# Altium PCB BMSRev3.PcbDoc (part 2 of 2)
Units mil, origin at the board's own origin, x right, y up, seen from the top; angles counter-clockwise.
Board outline 5720 x 3795.51 mil, 4 copper layers (Top Layer, GND, PWR, Bottom Layer), stack 61.811 mil thick; 150 components, 153 nets, 541 pads, 351 vias.
Unrouted connection lines stored in the file: 3.
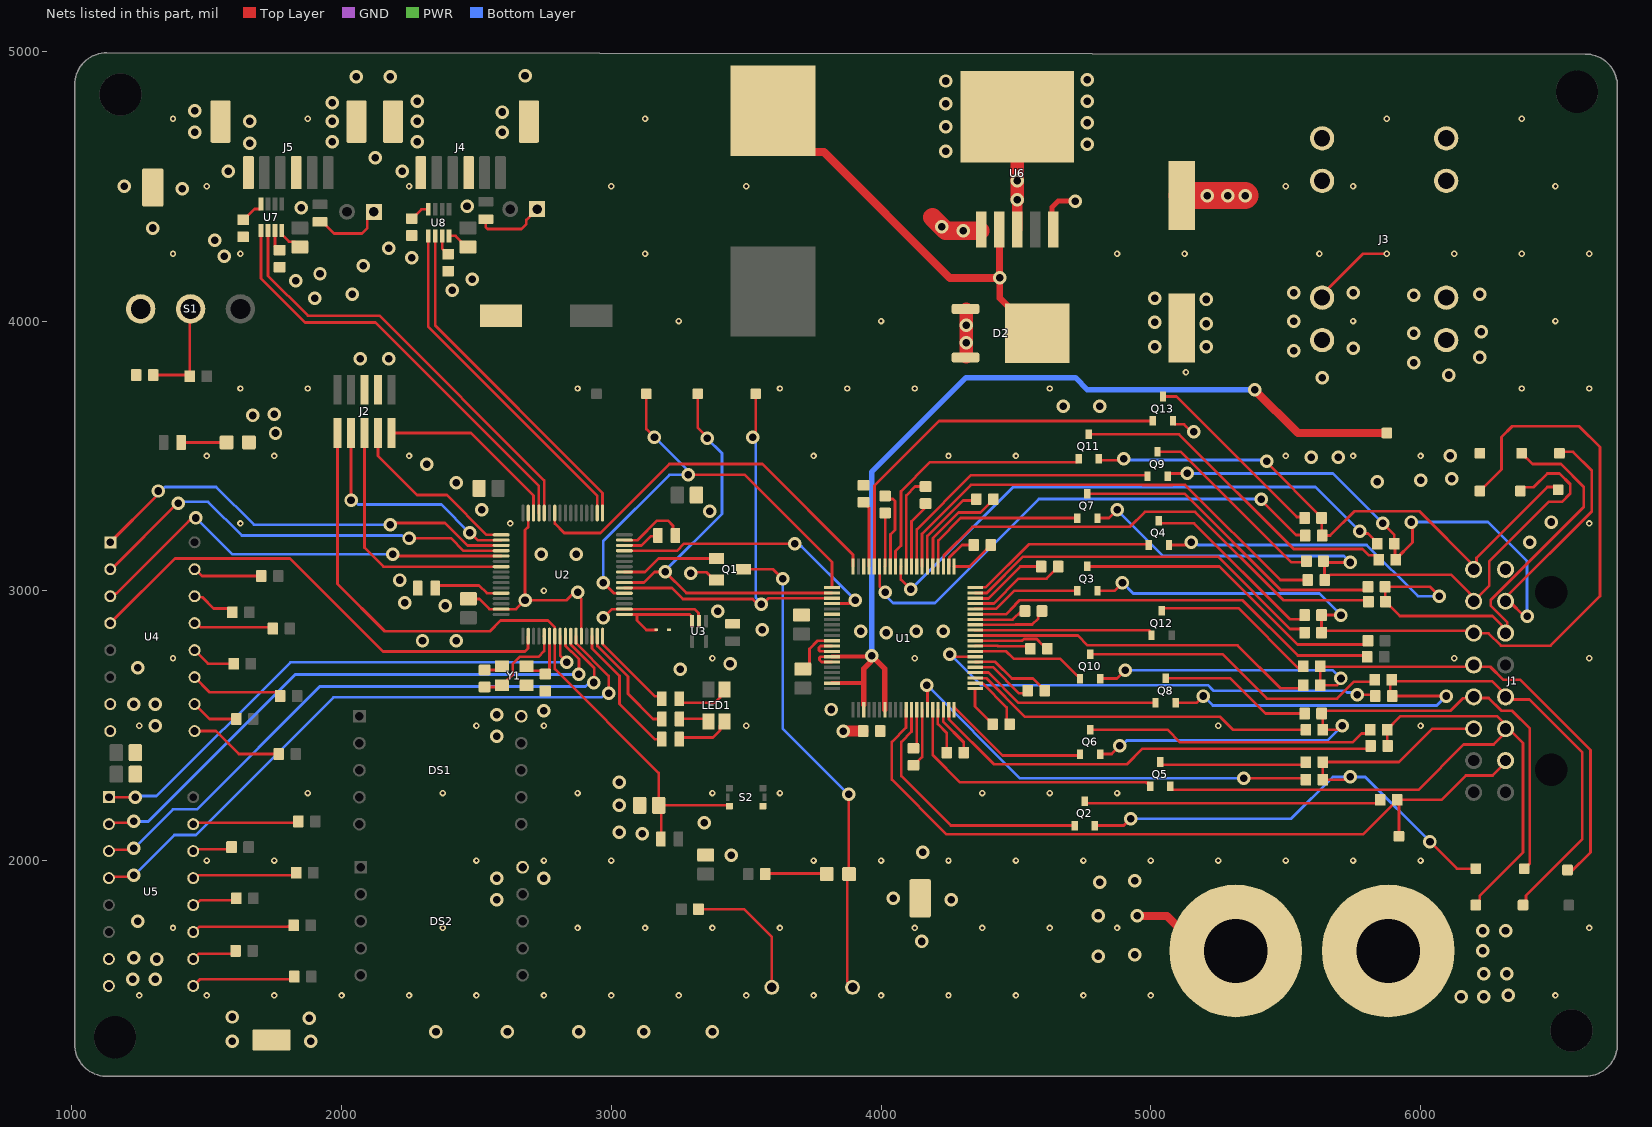
[diagram p4: the nets of this part, all layers, seen from the top]

## Via types
v1: diameter 50, hole 28, Top Layer to Bottom Layer, tented both sides, 240 vias
v2: diameter 24, hole 12, Top Layer to Bottom Layer, tented both sides, 111 vias

## Nets (pads, with @x,y where several pads share a name; then routed paths per layer and width w, separated by ;. In a path a pad name is that pad's centre, name@x,y a point inside that pad or via, vN(x,y) a via of type N, cw(c..) or ccw(c..) an arc to the next point about the centre after c; other vN are vias at no path point) (continued)
GND: C1.1 C7.1 C10.1 C13.1 C16.1 C17.1 C18.1 C19.1 C20.1 C23.1 C24.1 C25.1 C28.1 C29.1 C30.1 C31.1 C32.2 C33.2 C34.1 C35.1 D2.1 D2.3 D3.2 DS1.10 DS2.10 GND.1 J1.1 J2.3 J2.5 J3.1 J4.0 J4.3 J4.6 J5.0 J5.3 J5.6 LED3.2 PTH1.1 Q1.2 Q13.2 R28.2 R47.1 R49.1 R51.1 R52.1 S1.1 S2.1 U1.6 U1.11 U1.78 U2.12 U2.18 U2.31 U2.47 U2.63 U3.2 U4.7 U4.8 U5.7 U5.8 U6.3 U6.5 U6.6 U7.8 U8.8 Y1.2 Y1.4 | length 4132.3
  Top Layer w10: C23.1@1247.4,2332.17 C23.1@1235.24,2320 C23.1@1252.72,2302.52 ; U7.8@1778.39,4335.79 1778.39,4321.02 1805.04,4294.37 1825.39,4294.37 C34.1@1845,4274.76 ; U8.8@2398.39,4315.79 2422.24,4315.79 2441.61,4296.42 2441.61,4294.37 2461.22,4274.76 C35.1@2468.11,4274.76 ; C17.1@2470,2970.24 2470.87,2969.36 2510.64,2969.36 2547.95,2932.05 2647.05,2932.05 v1(2680,2965) ; C28.1@2530,2706.5 2580.79,2706.5 Y1.2@2594.72,2720.43 ; U2.47@2692.05,3288.35 2692.05,3237.05 2680,3225 v1(2680,2965) ; U2.12@2888.9,2831.65 2888.9,2970.28 2875,2984.18 v1(2875,2995) 2864.18,2995 2834.18,2965 v1(2680,2965) ; v1(2970,2900) 3002.05,2932.05 U2.18@3048.35,2932.05 3307.95,2932.05 3322.92,2917.08 3322.92,2889.87 U3.2@3325,2887.8 ; U2.31@3048.35,3187.95 3097.95,3187.95 3170,3260 3210,3260 3228.77,3241.23 3228.77,3213.71 C30.1@3237.48,3205 ; v1(3295,3065) 3298.83,3068.83 3353.3,3068.83 3382.12,3040 Q1.2@3390,3040 ; C7.1@3343.11,2020.24 C7.1@3350,2020.24 ; C19.1@3710,2710 3715.39,2710 3735,2729.61 3735,2785 3764.88,2814.88 U1.11@3817.99,2814.88 ; C1.1@3933.03,3391.5 C1.1@3935,3391.5 ; D2.3@4313.07,3865 D2.3@4315,3866.93 ; D2.1@4313.07,4045 D2.1@4315,4043.07 ; U6.5@4633.86,4345 U6.5@4638.86,4340 ; Q13.2@5082.4,3629.72 5082.4,3623.82 5089.21,3617.01 5123.37,3617.01 5150.38,3590 v1(5160,3590) ; C33.2@5115,4466.06 C33.2@5148.94,4500 ; v2(5130,3810) v2@5132.01,3812.01 ; PTH1.1@5190.49,1665 PTH1.1@5315,1665 ; J3.1@5635,4086.93 5635,4097.48 5787.52,4250 v2(5875,4250)
  Top Layer w20: U6.5@4633.86,4345 4633.86,4421.93 4656.93,4445 v1(4720,4445)
  Top Layer w30: v1(4950,1795) 5060.49,1795 PTH1.1@5190.49,1665
  Top Layer w40: U6.3@4505,4340 v1(4505,4450)
  Top Layer w50: D2.3@4315,3866.93 D2.1@4315,4043.07 ; v1(4505,4450) U6.6@4505,4757.32
  Top Layer w100: C33.2@5115.79,4465 v1(5350,4465)
  GND w10: J3.1@5635,4086.93 J3.1@5635,4097.48
  PWR w10: J3.1@5635,4086.93 J3.1@5635,4097.48
  Bottom Layer w10: J3.1@5635,4086.93 J3.1@5635,4097.48
  other v1: 1595,1330 1885,1330 2350,1365 2615,1365 2880,1365 3120,1365 3375,1365 1880,1415 1595,1420 1225,1560 1310,1560 1315,1635 1230,1640 4805,1645 4940,1650 4150,1700 1245,1775 4805,1795 2575,1855 4260,1855 4045,1860 4810,1920 4940,1925 2575,1935 2750,1935 3445,2020 4155,2030 3115,2100 3030,2105 3345,2140 3030,2205 3030,2290 2575,2460 1310,2500 2575,2540 2750,2555 3815,2560 1230,2580 1310,2580 3255,2710 1245,2715 3440,2730 2300,2815 2425,2815 4020,2845 3925,2850 4130,2850 4230,2850 3560,2855 3395,2925 2385,2945 2235,2955 2215,3040 2740,3135 2870,3135 6405,3180 6485,3255 3365,3295 2520,3300 2425,3400 5840,3405 6000,3410 6115,3415 2315,3470 5595,3495 5695,3495 6110,3500 1755,3585 1670,3650 1750,3655 4675,3685 4810,3685 5635,3790 6105,3800 5975,3845 2070,3860 2175,3860 6220,3865 5530,3890 5750,3900 4315,3920 5975,3955 6225,3960 4315,3985 5530,4000 1900,4085 5975,4095 2040,4100 6220,4100 5530,4105 5750,4105 2410,4115 1830,4150 2485,4155 1920,4175 2080,4205 2260,4235 1565,4240 2175,4270 1530,4300 1300,4345 1850,4420 2465,4425 5210,4465 5285,4465 1410,4490 1195,4500 4505,4520 1580,4555 2225,4555 2125,4605 4240,4630 4765,4655 1660,4660 1965,4665 2280,4665 1455,4700 2595,4700 4240,4720 4765,4735 1660,4740 1965,4740 2280,4740 2595,4775 1455,4780 4240,4805 1965,4810 2280,4815 4765,4815 4240,4890 4765,4895 2055,4905 2180,4905 2680,4910
  other v2: 1250,1500 1500,1500 1750,1500 2000,1500 2250,1500 2500,1500 2750,1500 3000,1500 3250,1500 3500,1500 3750,1500 4000,1500 4250,1500 4500,1500 4750,1500 5000,1500 6500,1500 1375,1750 2375,1750 2875,1750 3125,1750 3375,1750 3625,1750 4125,1750 4375,1750 4625,1750 4875,1750 6625,1750 1500,2000 1750,2000 2500,2000 2750,2000 3000,2000 3750,2000 4000,2000 4250,2000 4500,2000 4750,2000 5000,2000 5250,2000 5500,2000 5750,2000 6000,2000 1875,2250 2375,2250 2875,2250 3375,2250 3625,2250 4375,2250 4625,2250 4875,2250 1250,2500 2500,2500 2750,2500 3500,2500 5250,2500 6000,2500 1375,2750 3375,2750 4125,2750 6125,2750 6625,2750 2750,3000 1625,3250 2625,3250 6625,3250 1500,3500 1750,3500 2250,3500 3750,3500 4250,3500 4500,3500 5500,3500 5750,3500 6000,3500 1625,3750 1875,3750 2875,3750 3625,3750 3875,3750 4125,3750 4625,3750 6375,3750 6625,3750 3250,4000 4000,4000 5750,4000 6500,4000 1375,4250 1625,4250 3125,4250 4875,4250 5125,4250 5625,4250 6125,4250 6375,4250 6625,4250 1500,4500 2250,4500 3000,4500 3500,4500 5500,4500 5750,4500 6500,4500 1375,4750 1875,4750 3125,4750 5875,4750 6375,4750
JTDI: J2.8 U2.50 | length 867.6
  Top Layer w10: v1(2035,3335) J2.8@2035,3585 ; v1(2475,3215) 2477.47,3215 2504.52,3187.95 U2.50@2591.65,3187.95
  Bottom Layer w10: v1(2035,3335) 2045.82,3335 2060.82,3320 2370,3320 v1(2475,3215)
JTDO/TRACESWO: J2.6 U2.55 | length 960.8
  Top Layer w10: J2.6@2085,3585 2085,3160 2155.47,3089.53 U2.55@2591.65,3089.53
NetC1_2: C1.2 U1.77 | length 248.1
  Top Layer w10: C1.2@3935,3328.5 3936.97,3328.5 3951.65,3313.82 3951.65,3311.62 3955.31,3307.96 U1.77@3955.31,3090
NetC2_1: C2.1 U1.74 | length 198.8
  Top Layer w10: U1.74@4014.37,3090 4015,3090.63 C2.1@4015,3288.5
NetC2_2: C2.2 U1.73 | length 295.1
  Top Layer w10: C2.2@4015,3351.5 4026.1,3340.39 4044.14,3340.39 4051.65,3332.88 4051.65,3226.15 4035,3209.49 4035,3090 U1.73@4034.06,3090
NetC3_1: C3.1 U1.70 | length 348.8
  Top Layer w10: U1.70@4093.11,3090 4093.74,3090.63 4093.74,3353.74 4126.52,3386.52 C3.1@4165,3386.52
NetC3_2: C3.2 U1.69 | length 274.5
  Top Layer w10: U1.69@4112.8,3090 4112.48,3090.32 4112.48,3257.48 4167.62,3312.62 4154.09,3312.62 C3.2@4165,3323.53
NetC4_1: C4.1 U1.66 | length 351.8
  Top Layer w10: U1.66@4171.85,3090 4171.54,3090.31 4171.54,3202.86 4303.82,3335.14 4348.65,3335.14 C4.1@4353.5,3340
NetC4_2: C4.2 U1.65 | length 390.9
  Top Layer w10: U1.65@4191.54,3090 4191.54,3113.41 4192.17,3114.04 4192.17,3195.2 4287.17,3290.21 4368.67,3290.21 4416.5,3338.03 C4.2@4416.5,3340
NetC5_1: C5.1 U1.62 | length 144
  Top Layer w10: U1.62@4250.59,3090 4252.17,3091.58 4252.17,3092.3 4252.48,3092.61 4252.48,3122.48 4300,3170 C5.1@4343.5,3170
NetC5_2: C5.2 U1.61 | length 191.3
  Top Layer w10: U1.61@4270.28,3090 4328.46,3090 4406.5,3168.03 C5.2@4406.5,3170 C5.2@4391.81,3155.31
NetC6_1: C6.1 U1.58 | length 316.9
  Top Layer w10: U1.58@4348.54,2972.36 4349.17,2971.73 4398.27,2971.73 4516.54,3090 C6.1@4593.5,3090 4593.5,3091.97 C6.1@4578.82,3106.65
NetC6_2: C6.2 U1.57 | length 366
  Top Layer w10: U1.57@4348.54,2952.68 4348.86,2952.99 4418.21,2952.99 4510.22,3045 4613.46,3045 4656.5,3088.03 C6.2@4656.5,3090
NetC8_1: C8.1 U1.54 | length 205.7
  Top Layer w10: U1.54@4348.54,2893.62 4349.17,2892.99 4487.99,2892.99 C8.1@4520,2925 ; C8.1@4518.82,2910.31 C8.1@4533.5,2925
NetC8_2: C8.2 U1.53 | length 279.2
  Top Layer w10: U1.53@4348.54,2873.94 4499.32,2873.94 4498.25,2875.01 4545,2875 4560,2875 4583.13,2898.13 4583.13,2911.63 C8.2@4596.5,2925
NetC9_1: C9.1 U1.50 | length 287.1
  Top Layer w10: U1.50@4348.54,2814.88 4523.14,2814.88 4529.91,2821.65 4577.1,2821.65 4597.1,2801.65 4601.81,2801.65 4616.5,2786.97 C9.1@4616.5,2785
NetC9_2: C9.2 U1.49 | length 209.7
  Top Layer w10: U1.49@4348.54,2795.2 4349.17,2795.83 4432.46,2795.83 4433.4,2794.88 4543.62,2794.88 C9.2@4553.5,2785
NetC11_1: C11.1 U1.46 | length 303.9
  Top Layer w10: U1.46@4348.54,2736.14 4363.35,2736.14 4364.3,2737.09 4422.94,2737.09 4485.03,2675 4563.46,2675 4606.5,2631.97 C11.1@4606.5,2630
NetC11_2: C11.2 U1.45 | length 239.6
  Top Layer w10: U1.45@4348.54,2716.46 4371.95,2716.46 4372.58,2717.09 4414.66,2717.09 4511.74,2620 4533.5,2620 C11.2@4543.5,2630
NetC12_1: C12.1 U1.42 | length 221.7
  Top Layer w10: U1.42@4348.54,2657.4 4349.77,2656.18 4350.54,2656.18 4350.85,2655.87 4377.95,2655.87 4465.75,2568.07 4465.75,2515.75 C12.1@4476.5,2505
NetC12_2: C12.2 U1.41 | length 159.6
  Top Layer w10: U1.41@4348.54,2637.72 4348.54,2571.93 4413.5,2506.97 C12.2@4413.5,2505
NetC13_2: C13.2 R3.1 S1.2 | length 388.8
  Top Layer w10: C13.2@1301.5,3800 1432.01,3800 R3.1@1437.01,3795 1437.01,3800 1437.01,4041.97 S1.2@1440.04,4045
NetC14_1: C14.1 U1.34 | length 220.4
  Top Layer w10: C14.1@4120,2353.5 4121.97,2353.5 4152.17,2383.7 U1.34@4152.17,2559.45
NetC14_2: C14.2 U1.33 | length 148.1
  Top Layer w10: C14.2@4120,2416.5 4132.17,2428.66 4132.17,2559.13 U1.33@4132.48,2559.45
NetC15_1: C15.1 U1.38 | length 191.3
  Top Layer w10: U1.38@4230.91,2559.45 4230.91,2536.04 4230.28,2535.41 4230.28,2514.72 4306.5,2438.5 C15.1@4306.5,2400
NetC15_2: C15.2 U1.37 | length 173.6
  Top Layer w10: U1.37@4211.22,2559.45 4211.22,2544.64 4210.28,2543.7 4210.28,2506.44 4243.5,2473.21 C15.2@4243.5,2400
NetC16_2: C16.2 U2.6 Y1.1 | length 229.1
  Top Layer w10: Y1.1@2685.28,2720.43 2701.93,2703.78 2742.72,2703.78 C16.2@2755,2691.5 2756.1,2691.5 2770.79,2706.18 U2.6@2770.79,2831.65
NetC28_2: C28.2 U2.5 Y1.3 | length 358.5
  Top Layer w10: C28.2@2530,2643.5 2592.6,2643.5 2615.31,2666.22 2615.31,2670.16 2635,2689.84 2635,2730 2660,2755 2730,2755 2751.1,2776.1 U2.5@2751.1,2831.65 U2.5@2750,2831.65
NetC30_2: C30.2 U2.30 | length 139.4
  Top Layer w10: U2.30@3048.35,3168.27 3111.9,3168.27 3145.66,3202.03 3169.55,3202.03 C30.2@3172.52,3205
NetD2_2: D2.2 L1.1 U6.2 | length 1688.6
  Top Layer w25: L1.1@3594.98,4629.31 3574.65,4649.64 3522.5,4701.79 3569.72,4749.02 L1.1@3600,4779.29 ; U6.2@4438.07,4340 4439.04,4339.04 4439.04,4160.96 v1(4440,4160) ; v1@4440,4148.45 4440,4084.76 4569.76,3955 D2.2@4578.82,3955
  Top Layer w30: L1.1@3594.98,4629.31 3597.32,4626.97 3787.83,4626.97 4254.8,4160 v1(4440,4160)
NetH1_1: H1.1 R48.1 | length 271.3
  Top Layer w10: R48.1@1920,4367.52 1929.84,4367.52 1972.36,4325 2075,4325 2095.47,4345.47 2095.47,4380.47 H1.1@2120,4405
NetH2_1: H2.1 R46.1 | length 261.7
  Top Layer w10: R46.1@2535,4377.52 2535,4347.42 2540.86,4341.56 2666.56,4341.56 2684.94,4359.94 2684.94,4374.94 H2.1@2725,4415
NetJ1_2: CL2.1 J1.2 Q9.2 R20.1 R22.1 | length 2780.1
  Top Layer w10: Q9.2@5062.4,3424.72 5062.4,3428.19 5069.21,3435 v1(5135,3435) ; v1(5860,3250) 5902.99,3207.01 R20.1@5902.99,3175 5905.49,3172.5 5905.49,3117.5 R22.1@5907.99,3115 5907.99,3116.97 5970,3178.98 5970,3250 v1(5965,3255) ; J1.2@6326.22,2961.22 J1.2@6315,2961.22 ; v1(6395,2905) 6385,2905 6328.78,2961.22 6322.93,2961.22 J1.2@6315,2961.22 ; CL2.1@6515,3510 6520,3515 6565,3515 6635,3445 6635,3295 6315,2975 J1.2@6315,2961.22
  Bottom Layer w10: v1(5135,3435) 5675,3435 v1(5860,3250) ; v1(5965,3255) 6250,3255 6395,3110 v1(6395,2905)
NetJ1_3: CL4.1 J1.3 Q4.2 R12.1 R14.1 | length 2858.6
  Top Layer w10: Q4.2@5067.4,3169.72 5139.72,3169.72 v1(5150,3180) ; v1(6070,2980) 6035,3015 R14.1@5867.99,3015 5869,3014 5869,2959 R12.1@5870,2960 5870,2958.03 5884.69,2943.35 5886.65,2943.35 5923.36,2906.64 6266.47,2906.64 J1.3@6322.5,2850.61 ; J1.3@6315,2843.11 J1.3@6322.5,2850.61 ; CL4.1@6375,3510 6415,3470 6520,3470 6605,3385 6605,3310 6260,2965 6260,2945.06 6321.21,2883.85 6321.21,2851.9 J1.3@6322.5,2850.61
  Bottom Layer w10: v1(5150,3180) 5157.65,3172.35 5173.51,3172.35 5175.86,3170 5800,3170 5990,2980 v1(6070,2980)
NetJ1_5: CL8.1 J1.5 Q8.2 R19.1 R21.1 | length 2828.9
  Top Layer w10: Q8.2@5085.59,2597.44 5092.4,2590.63 Q8.2@5092.4,2584.72 5169.72,2584.72 v1(5195,2610) ; R21.1@5892.99,2670 5886.99,2664 R21.1@5886.99,2663.01 ; v1(6095,2610) R19.1@5895,2610 ; CL8.1@6380,1835 6390.75,1845.75 6390.75,1870.75 6600,2080 6600,2400 6403.29,2596.71 6325.18,2596.71 J1.5@6315,2606.89 6315,2614.82 6264.82,2665 5900.67,2665 5892.83,2657.17 R21.1@5886.99,2663.01 ; R21.1@5886.99,2663.01 5881.5,2657.52 5883.33,2657.52 5887.5,2653.35 R19.1@5887.5,2617.5 ; R19.1@5887.5,2617.5 R19.1@5895,2610 ; R19.1@5887.5,2617.5 R19.1@5895,2610
  Bottom Layer w10: v1(5195,2610) 5230,2575 6060,2575 v1(6095,2610)
NetJ1_6: CL10.1 J1.6 Q5.2 R11.1 R13.1 | length 2683.8
  Top Layer w10: Q5.2@5072.4,2274.72 5072.4,2268.82 5079.21,2262.01 5992.01,2262.01 6160,2430 6271.22,2430 6325,2483.78 J1.6@6325,2488.78 ; R11.1@5877.99,2425 5876.99,2426 5876.99,2484 R13.1@5875.98,2485 5926.36,2535.37 6283.41,2535.37 6325,2493.78 J1.6@6325,2488.78 ; CL10.1@6205,1835 6219.69,1849.69 6219.69,1869.69 6380,2030 6380,2435 6326.22,2488.78 J1.6@6325,2488.78 ; J1.6@6326.46,2485.24 6322.93,2488.78 J1.6@6315,2488.78 J1.6@6325,2488.78
NetJ1_7: CL12.1 J1.7 R5.1 U1.31 | length 2911.7
  Top Layer w10: U1.31@4093.11,2559.45 4092.8,2559.13 4092.8,2492.8 4040,2440 4040,2300 4242.99,2097.01 5786.97,2097.01 5912.99,2223.03 R5.1@5912.99,2225 ; CL12.1@5930,2080 CL12.1@5920,2090 5920,2217.99 R5.1@5912.99,2225 ; J1.7@6315,2370.67 6315,2362.74 6267.26,2315 6167.77,2315 6077.77,2225 R5.1@5912.99,2225
NetJ1_9: CL1.1 J1.9 Q11.2 R24.1 R26.1 | length 2145.4
  Top Layer w10: Q11.2@4807.4,3489.72 4813.31,3483.82 4893.82,3483.82 v1(4900,3490) ; v1(5430,3480) 5430,3474.96 5632.99,3271.97 R26.1@5632.99,3270 5634,3269 5634,3213.01 R24.1@5638.5,3208.5 ; R24.1@5635,3205 5665,3205 5755,3295 5996.22,3295 J1.9@6204.39,3086.83 ; J1.9@6196.89,3079.33 6207.07,3089.51 6207.07,3122.07 6470,3385 6500,3385 CL1.1@6510,3375
  Bottom Layer w10: v1(4900,3490) 4905,3485 5425,3485 v1(5430,3480)
NetJ1_10: CL3.1 J1.10 Q7.2 R16.1 R18.1 | length 2671.6
  Top Layer w10: Q7.2@4802.4,3269.72 4844.72,3269.72 v1(4875,3300) ; R18.1@5640,3110 R18.1@5644,3106 ; R16.1@5645,3040 R16.1@5649,3044 ; v1(5740,3105) 5645,3105 R18.1@5644,3106 ; J1.10@6206.22,2961.22 J1.10@6196.89,2961.22 ; J1.10@6208.35,2964.76 6204.82,2961.22 J1.10@6196.89,2961.22 ; J1.10@6208.45,2964.05 J1.10@6204.09,2968.42 ; CL3.1@6370,3370 6383.83,3383.83 6418.83,3383.83 6470,3435 6515,3435 6555,3395 6555,3360 6525,3330 6475,3330 6255,3110 6255,3019.33 J1.10@6204.09,2968.42 ; R18.1@5644,3106 5644,3049.31 5649,3044.31 5649,3045.96 5659.69,3056.65 5662.2,3056.65 5665.54,3060 6113.11,3060 6181.44,2991.67 6181.44,2991.06 J1.10@6204.09,2968.42 ; J1.10@6196.89,2961.22 J1.10@6204.09,2968.42
  Bottom Layer w10: v1(4875,3300) 5046,3129 5715.71,3129 5739.71,3105 v1(5740,3105)
NetJ1_11: CL5.1 J1.11 Q3.2 R7.1 R9.1 | length 3444.1
  Top Layer w10: Q3.2@4802.4,2999.72 4864.72,2999.72 v1(4895,3030) ; v1(5705,2910) R9.1@5632.99,2910 R7.1@5632.99,2845 ; CL5.1@6220,3370 6300,3450 6300,3570 6340,3610 6587.43,3610 6665,3532.43 6665,2980 6481.52,2796.52 6298.48,2796.52 6252.63,2842.37 6197.63,2842.37 6188.35,2851.65 R7.1@5639.65,2851.65 ; R7.1@5632.99,2845 R7.1@5639.65,2851.65 ; R7.1@5632.99,2845 R7.1@5639.65,2851.65
  Bottom Layer w10: v1(4895,3030) 4935,2990 5625,2990 v1(5705,2910)
NetJ1_12: CL7.1 J1.12 Q10.2 R23.1 R25.1 | length 2716
  Top Layer w10: Q10.2@4812.4,2674.72 4874.72,2674.72 v1(4905,2705) ; R25.1@5627.99,2720 R25.1@5630,2717.99 ; v1(5705,2675) 5705,2665 5690,2650 R23.1@5627.99,2650 5627.99,2715.98 R25.1@5630,2717.99 ; CL7.1@6545,1965 6555,1955 6630,2030 6630,2410 6370,2670 6307.03,2670 6258.48,2718.55 6203.34,2718.55 J1.12@6196.89,2725 6189.88,2717.99 R25.1@5630,2717.99
  Bottom Layer w10: v1(4905,2705) 5675,2705 v1(5705,2675)
NetJ1_13: CL9.1 J1.13 Q6.2 R15.1 R17.1 | length 2453.9
  Top Layer w10: Q6.2@4812.4,2394.72 4854.72,2394.72 v1(4885,2425) ; R17.1@5632.99,2543.03 5637.99,2538.03 R15.1@5637.99,2485 5695,2485 v1(5710,2500) ; R17.1@5632.99,2545 5643.37,2555.37 6110.37,2555.37 6156.44,2601.44 6191.44,2601.44 J1.13@6196.89,2606.89 6201.41,2602.37 6252.63,2602.37 6299.63,2555.37 6339.63,2555.37 6405,2490 6405,1990 CL9.1@6385,1970
  Bottom Layer w10: v1(4885,2425) 4890.86,2425 4910.86,2445 5655,2445 v1(5710,2500)
NetJ1_14: CL11.1 J1.14 Q2.2 R8.1 R10.1 | length 2402.4
  Top Layer w10: Q2.2@4792.4,2129.72 4899.72,2129.72 v1@4920,2150 ; v1(5740,2310) 5730,2300 R8.1@5637.99,2300 R10.1@5637.99,2365 5920,2365 6043.78,2488.78 J1.14@6196.89,2488.78 ; v1(6035,2070) 6135,1970 CL11.1@6205,1970
  Bottom Layer w10: v1(4925,2155) 5520,2155 5675,2310 v1(5740,2310) 5795,2310 v1(6035,2070)
NetL2_1: L2.1 R2.1 | length 501.5
  Top Layer w10: R2.1@3322.99,1820 3491.65,1820 3595,1716.65 L2.1@3595,1530
NetL2_2: L2.2 LED2.2 Q1.3 | length 1776.3
  Top Layer w10: Q1.3@3490,3080 3600,3080 v1(3635,3045) ; LED2.2@3875,1943.66 3875,1551.42 3894.21,1532.21 L2.2@3894.21,1530 ; LED2.2@3880,1951.34 v1(3880,2245)
  Bottom Layer w10: v1(3635,3045) 3635,2490 v1(3880,2245)
NetLED1_1: LED1.1 R29.1 | length 123.8
  Top Layer w10: R29.1@3252.48,2525 3252.48,2520 3257.56,2514.92 3260.1,2517.46 3268.58,2525.94 3318.82,2525.94 3319.29,2525.47 3350.94,2525.47 LED1.1@3360.47,2515.94
NetLED1_3: LED1.3 R30.2 | length 202.7
  Top Layer w10: R30.2@3252.48,2600 3252.48,2597.72 3265.2,2585 3383.81,2585 3402.87,2604.06 3402.87,2617.4 LED1.3@3419.53,2634.06
NetLED1_4: LED1.4 R31.1 | length 204
  Top Layer w10: R31.1@3252.48,2450 3258.9,2456.42 3376.42,2456.42 3402.87,2482.87 3402.87,2499.29 LED1.4@3419.53,2515.94
NetLED2_1: LED2.1 R1.2 | length 230.3
  Top Layer w10: R1.2@3570,1950 3571.97,1951.97 3796.69,1951.97 LED2.1@3798.66,1950
NetLED3_1: LED3.1 R50.2 | length 168.7
  Top Layer w10: R50.2@1404.96,3550 LED3.1@1573.66,3550
NetQ1_1: Q1.1 U2.25 | length 362.4
  Top Layer w10: U2.25@3048.35,3069.84 3124.84,3069.84 3175,3120 Q1.1@3390,3120
NetQ2_1: Q2.1 U1.32 | length 980.5
  Top Layer w10: U1.32@4112.8,2559.45 4112.8,2477.8 4075,2440 4075,2313.26 4258.53,2129.72 Q2.1@4717.6,2129.72
NetQ2_3: Q2.3 R5.2 | length 1104.5
  Top Layer w10: Q2.3@4755,2220.28 4755,2218.9 4761.81,2212.09 5837.09,2212.09 R5.2@5850,2225
NetQ3_1: Q3.1 U1.56 | length 406.9
  Top Layer w10: U1.56@4348.54,2932.99 4426.5,2932.99 4493.5,3000 4587.29,3000 4587.57,2999.72 Q3.1@4727.6,2999.72
NetQ3_3: Q3.3 R6.2 | length 1165.4
  Top Layer w10: Q3.3@4765,3090.28 5254.72,3090.28 5543.7,2801.3 5791.3,2801.3 R6.2@5805,2815
NetQ4_1: Q4.1 U1.60 | length 711.9
  Top Layer w10: U1.60@4348.54,3011.73 4349.45,3012.64 4387.64,3012.64 4547.68,3172.68 4989.65,3172.68 Q4.1@4992.6,3169.72
NetQ4_3: Q4.3 R9.2 | length 699.7
  Top Layer w10: Q4.3@5030,3260.28 5030,3256.81 5036.81,3250 5160,3250 5515,2895 5555.31,2895 5570,2909.69 R9.2@5570,2910
NetQ5_1: Q5.1 U1.36 | length 1025.7
  Top Layer w10: U1.36@4191.54,2559.45 4191.54,2391.72 4293.26,2290 4982.32,2290 4984.88,2287.44 4990.79,2287.44 4997.6,2280.63 Q5.1@4997.6,2274.72
NetQ5_3: Q5.3 R10.2 | length 550.4
  Top Layer w10: Q5.3@5035,2365.28 5035,2361.81 5041.81,2355 5565,2355 R10.2@5575,2365
NetQ6_1: Q6.1 U1.40 | length 554.2
  Top Layer w10: U1.40@4270.28,2559.45 4270.28,2569.72 4450.28,2389.72 4732.6,2389.72 Q6.1@4737.6,2394.72
NetQ6_3: Q6.3 R13.2 | length 1076.8
  Top Layer w10: Q6.3@4775,2485.28 5061.25,2485.28 5108.18,2438.35 5748.35,2438.35 5781.3,2471.3 5799.29,2471.3 R13.2@5812.99,2485
NetQ7_1: Q7.1 U1.64 | length 647.6
  Top Layer w10: U1.64@4211.22,3090 4212.17,3090 4212.17,3108.87 4212.48,3109.18 4212.48,3187.23 4294.97,3269.72 Q7.1@4727.6,3269.72
NetQ7_3: Q7.3 R14.2 | length 1192.7
  Top Layer w10: Q7.3@4765,3360.28 5124.72,3360.28 5481.65,3003.35 5793.35,3003.35 R14.2@5805,3015
NetQ8_1: Q8.1 U1.44 | length 715.7
  Top Layer w10: U1.44@4348.54,2696.77 4348.86,2697.09 4397.91,2697.09 4510.28,2584.72 Q8.1@5017.6,2584.72
NetQ8_3: Q8.3 R17.2 | length 569
  Top Layer w10: Q8.3@5055,2675.28 5294.72,2675.28 5425,2545 R17.2@5570,2545
NetQ9_1: Q9.1 U1.68 | length 1077.7
  Top Layer w10: U1.68@4132.48,3090 4132.48,3227.48 4333.82,3428.82 4983.5,3428.82 Q9.1@4987.6,3424.72
NetQ9_3: Q9.3 R18.2 | length 723.7
  Top Layer w10: Q9.3@5025,3515.28 5111.29,3515.28 5175,3451.57 5521.16,3105.41 5572.42,3105.41 R18.2@5577.01,3110
NetQ10_1: Q10.1 U1.48 | length 431.1
  Top Layer w10: U1.48@4348.54,2775.51 4348.86,2775.83 4464.17,2775.83 4491.65,2748.35 4663.98,2748.35 Q10.1@4737.6,2674.72
NetQ10_3: Q10.3 R21.2 | length 1152.5
  Top Layer w10: Q10.3@4775,2765.28 5265.12,2765.28 5430.39,2600 5690,2600 5753.18,2663.18 5823.18,2663.18 R21.2@5830,2670
NetQ11_1: Q11.1 U1.72 | length 999.5
  Top Layer w10: U1.72@4053.74,3090 4053.74,3147.32 4073.74,3167.32 4073.74,3368.74 4182.01,3477.01 4725.79,3477.01 4732.6,3483.82 Q11.1@4732.6,3489.72
NetQ11_3: Q11.3 R22.2 | length 1268.9
  Top Layer w10: Q11.3@4770,3580.28 5104.72,3580.28 5530,3155 5785,3155 5808.35,3131.65 5830.31,3131.65 5845,3116.97 R22.2@5845,3115
NetQ12_1: Q12.1 U1.52 | length 668.2
  Top Layer w10: U1.52@4348.54,2854.25 4993.39,2854.25 4995.79,2851.85 4995.79,2841.53 Q12.1@5002.6,2834.72
NetQ12_3: Q12.3 R25.2 | length 625.8
  Top Layer w10: Q12.3@5040,2925.28 5040,2928.74 5046.81,2935.55 5324.45,2935.55 5546.3,2713.7 5558.7,2713.7 R25.2@5565,2720
NetQ13_1: Q13.1 U1.76 | length 1431.9
  Top Layer w10: U1.76@3975,3090 3975.31,3090.31 3975.31,3390.31 4214.72,3629.72 Q13.1@5007.6,3629.72
NetQ13_3: Q13.3 R26.2 | length 711.5
  Top Layer w10: Q13.3@5045,3720.28 5094.72,3720.28 5541.17,3273.83 5566.17,3273.83 R26.2@5570,3270
NetR4_2: R4.2 U1.55 | length 1563.1
  Top Layer w10: U1.55@4348.54,2913.31 4372.26,2913.31 4372.58,2912.99 4462.99,2912.99 4497.46,2947.46 4497.46,2949.2 4513.26,2965 5340,2965 5545,2760 5797.01,2760 R4.2@5802.01,2755
NetR7_2: R7.2 U1.59 | length 1394.1
  Top Layer w10: U1.59@4348.54,2992.05 4348.86,2991.73 4391.73,2991.73 4526.65,3126.65 5248.35,3126.65 5516.3,2858.7 5556.3,2858.7 R7.2@5570,2845
NetR8_2: R8.2 U1.35 | length 1641.3
  Top Layer w10: v1(4170,2650) 4171.85,2648.15 U1.35@4171.85,2559.45 ; v1(5345,2305) 5570,2305 R8.2@5575,2300
  Bottom Layer w10: v1(4170,2650) 4515,2305 v1(5345,2305)
NetR11_2: R11.2 U1.39 | length 1697
  Top Layer w10: U1.39@4250.59,2559.45 4251.5,2558.54 4251.5,2523.5 4417.99,2357.01 4912.01,2357.01 4970,2415 5805,2415 R11.2@5815,2425
NetR12_2: R12.2 U1.63 | length 1821.8
  Top Layer w10: U1.63@4230.91,3090 4232.17,3090 4232.17,3100.58 4232.48,3100.9 4232.48,3130.76 4338.72,3237.01 4922.01,3237.01 4977.99,3292.99 5163.72,3292.99 5491.72,2965 5802.01,2965 R12.2@5807.01,2960
NetR15_2: R15.2 U1.43 | length 1306
  Top Layer w10: U1.43@4348.54,2677.09 4349.45,2676.18 4358.82,2676.18 4359.13,2675.87 4390.85,2675.87 4533.73,2532.99 5257.52,2532.99 5305.51,2485 R15.2@5575,2485
NetR16_2: R16.2 U1.67 | length 1774.2
  Top Layer w10: U1.67@4152.17,3090 4151.54,3090.63 4151.54,3211.14 4333.39,3392.99 4968.59,3392.99 4969.57,3392.01 5080.43,3392.01 5081.41,3392.99 5127.01,3392.99 5480,3040 R16.2@5582.01,3040
NetR19_2: R19.2 U1.47 | length 1738.6
  Top Layer w10: v1(4255,2765) 4264.17,2755.83 U1.47@4348.54,2755.83 ; v1(5765,2615) 5827.01,2615 R19.2@5832.01,2610
  Bottom Layer w10: v1(4255,2765) 4370,2650 5211.57,2650 5231.57,2630 5720,2630 5727.35,2622.65 5757.35,2622.65 v1(5765,2615)
NetR20_2: R20.2 U1.71 | length 2076.1
  Top Layer w10: U1.71@4073.74,3090.31 U1.71@4073.43,3090 4073.43,3041.57 v1(4110,3005) ; v1(5775,3220) 5782.65,3212.35 5804.62,3212.35 5840,3176.97 R20.2@5840,3175
  Bottom Layer w10: v1(4110,3005) 4490,3385 5610,3385 v1(5775,3220)
NetR23_2: R23.2 U1.51 | length 1302.3
  Top Layer w10: U1.51@4348.54,2834.57 4348.86,2834.25 4729.28,2834.25 4765.54,2797.99 5322.01,2797.99 5481.3,2638.7 5553.7,2638.7 R23.2@5565,2650
NetR24_2: R24.2 U1.75 | length 1902.1
  Top Layer w10: U1.75@3995,3090.32 U1.75@3994.69,3090 3994.69,3015.31 v1(4015,2995) ; v1(5410,3340) 5410,3335 5538.03,3206.97 5570.04,3206.97 R24.2@5572.01,3205
  Bottom Layer w10: v1(4015,2995) 4015,2984.18 4044.18,2955 4200,2955 4585,3340 v1(5410,3340)
NetR28_1: R28.1 U2.60 | length 261.4
  Top Layer w10: R28.1@2347.48,3010 2348.84,3008.64 2360.2,3020 2509.67,3020 2538.57,2991.1 U2.60@2591.65,2991.1
NetR29_2: R29.2 U2.15 | length 424.9
  Top Layer w10: U2.15@2947.95,2831.65 2948.27,2831.34 2948.27,2795.02 3061.54,2681.75 3061.54,2618.46 3155,2525 R29.2@3187.52,2525
NetR30_1: R30.1 U2.16 | length 333
  Top Layer w10: U2.16@2967.64,2831.65 2967.98,2831.31 2967.98,2802.02 3160.66,2609.34 3178.18,2609.34 R30.1@3187.52,2600
NetR31_2: R31.2 U2.14 | length 504.8
  Top Layer w10: U2.14@2928.27,2831.65 2928.27,2786.73 3030,2685 3030,2580.66 3160.66,2450 R31.2@3187.52,2450
NetR32_1: R32.1 U4.15 | length 257.4
  Top Layer w10: U4.15@1455,3080 1457.67,3080 1482.67,3055 R32.1@1702.01,3055
NetR33_1: R33.1 U5.15 | length 394.1
  Top Layer w10: U5.15@1450,2135 1455,2140 1835,2140 R33.1@1840,2145
NetR34_1: R34.1 U4.14 | length 164.9
  Top Layer w10: U4.14@1455,2980 1458.84,2976.16 1483.84,2976.16 1525.59,2934.41 1580.59,2934.41 R34.1@1595,2920
NetR35_1: R35.1 U5.14 | length 148.2
  Top Layer w10: U5.14@1450,2035 1456.6,2041.6 1583.61,2041.6 R35.1@1592.01,2050
NetR36_1: R36.1 U4.13 | length 298.3
  Top Layer w10: U4.13@1455,2880 1462.79,2880 1478.1,2864.69 1740.31,2864.69 R36.1@1745,2860
NetR37_1: R37.1 U5.13 | length 390.3
  Top Layer w10: U5.13@1450,1935 1459.33,1935 1469.33,1945 1822.01,1945 R37.1@1832.01,1955
NetR38_1: R38.1 U4.12 | length 165.7
  Top Layer w10: U4.12@1455,2780 1505,2730 R38.1@1600,2730
NetR39_1: R39.1 U5.12 | length 170.4
  Top Layer w10: U5.12@1450,1835 1459.33,1835 1477.68,1853.35 1603.35,1853.35 R39.1@1610,1860
NetR40_1: R40.1 U4.11 | length 346
  Top Layer w10: U4.11@1455,2680 1511.3,2623.7 1758.31,2623.7 R40.1@1772.01,2610
NetR41_1: R41.1 U5.11 | length 385.1
  Top Layer w10: U5.11@1450,1735 1453.1,1735 1473.1,1755 1802.32,1755 1810.67,1763.35 1812.32,1763.35 1818.66,1763.35 R41.1@1822.01,1760
NetR42_1: R42.1 U4.10 | length 177.8
  Top Layer w10: U4.10@1455,2580 1510,2525 R42.1@1610,2525
NetR43_1: R43.1 U5.10 | length 169.4
  Top Layer w10: U5.10@1450,1635 1450.63,1635 1470.63,1655 1597.01,1655 R43.1@1607.01,1665
NetR44_1: R44.1 U4.9 | length 347.2
  Top Layer w10: U4.9@1455,2480 1534.18,2480 1619.18,2395 R44.1@1767.01,2395
NetR45_1: R45.1 U5.9 | length 389.8
  Top Layer w10: U5.9@1450,1535 1450,1535.6 1474.4,1560 1815,1560 R45.1@1825,1570
NetR47_2: R47.2 U7.4 | length 99.8
  Top Layer w10: R47.2@1635,4375 1636.97,4375 1677.56,4415.59 1697.76,4415.59 1701.61,4419.45 U7.4@1701.61,4434.21
NetR49_2: R49.2 U7.7 | length 81.1
  Top Layer w10: U7.7@1752.8,4335.79 1752.8,4297.17 1753.35,4296.61 1753.35,4277.68 1768.03,4262.99 R49.2@1770,4262.99
NetR51_2: R51.2 U8.4 | length 75.8
  Top Layer w10: R51.2@2260,4380 2261.97,4380 2296.18,4414.21 U8.4@2321.61,4414.21
NetR52_2: R52.2 U8.7 | length 78.1
  Top Layer w10: U8.7@2372.8,4315.79 2372.8,4268.23 2393.03,4247.99 R52.2@2395,4247.99
NetTP16_1: CLK.1 U1.1 U2.21 | length 1796.4
  Top Layer w10: v1(2970,3030) 3008.9,2991.1 U2.21@3048.35,2991.1 ; CLK.1@3130,3730 3130,3600 v1(3160,3570) ; v1(3285,3430) 3495,3430 3817.99,3107.01 U1.1@3817.99,3011.73
  Bottom Layer w10: v1(2970,3030) 2970,3185 3215,3430 3287.98,3430 3277.35,3440.64 3277.35,3452.65 v1(3160,3570)
NetTP17_1: SDI.1 U1.2 U2.23 | length 1602.8
  Top Layer w10: U2.23@3048.35,3030.47 3120.47,3030.47 3160,3070 v1(3200,3070) 3277.95,2992.05 U1.2@3817.99,2992.05 ; SDI.1@3320,3730 3320.31,3729.69 3320.31,3709.77 3320,3709.46 3320,3605.86 3355,3570.86 v1(3355,3565)
  Bottom Layer w10: v1(3200,3070) 3200,3075 3410,3285 3410,3510 v1(3355,3565)
NetTP18_1: SDO.1 U1.3 U2.22 | length 1600.7
  Top Layer w10: U2.22@3048.35,3010.79 3048.66,3010.47 3224.53,3010.47 3265,2970 3524.18,2970 3544.18,2950 v1(3555,2950) 3560.86,2950 3583.22,2972.36 U1.3@3817.99,2972.36 ; v1(3525,3570) 3525,3580.82 3535,3590.82 SDO.1@3535,3730
  Bottom Layer w10: v1(3525,3570) 3525,3559.18 3535,3549.18 3535,2975.86 3555,2955.86 v1(3555,2950)
NetU1_4: U1.4 U2.29 | length 1046.5
  Top Layer w10: U2.29@3048.66,3148.27 3243.27,3148.27 3270,3175 v1(3680,3175) ; U1.4@3817.99,2952.68 3892.68,2952.68 v1(3905,2965)
  Bottom Layer w10: v1(3680,3175) 3690.82,3175 3701.61,3164.22 3705.78,3164.22 v1(3905,2965)
NetU1_12: U1.12 U1.13 | length 110
  Top Layer w10: U1.13@3817.99,2775.51 3774.49,2775.51 3770,2780 3770,2790 3775.2,2795.2 U1.12@3817.99,2795.2
NetU1_80: U1.80 U2.42 | length 1447.9
  Top Layer w10: U2.42@2790.47,3288.35 2790.47,3249.53 2825.47,3214.53 2959.53,3214.53 3215,3470 3560,3470 3896.26,3133.74 U1.80@3896.26,3090
NetU2_2: U2.2 U4.4 | length 1841.6
  Top Layer w10: U4.4@1142.4,2880 1382.4,3120 1808.85,3120 2153.85,2775 2680,2775 2691.21,2786.21 2691.21,2806.21 2691.21,2830.82 U2.2@2692.05,2831.65
NetU2_8: U2.8 U5.1 | length 2011.7
  Top Layer w10: U5.1@1137.4,2235 v1(1235,2235) ; U2.8@2810.16,2831.65 2810.16,2759.84 v1(2835,2735)
  Bottom Layer w10: v1(1235,2235) 1239.05,2239.05 1314.05,2239.05 1810,2735 v1(2835,2735)
NetU2_9: U2.9 U5.2 | length 2135.2
  Top Layer w10: U5.2@1137.4,2135 1142.4,2140 1225,2140 v1(1230,2145) ; U2.9@2829.84,2831.65 2829.84,2796.18 2851.03,2775 2851.57,2775 2880,2746.57 v1(2880,2690)
  Bottom Layer w10: v1(1230,2145) 1283.28,2145 1828.28,2690 v1(2880,2690)
NetU2_10: U2.10 U5.3 | length 2261
  Top Layer w10: U5.3@1137.4,2035 1142.4,2040 1225,2040 v1(1230,2045) ; U2.10@2849.53,2831.65 2849.87,2831.31 2849.87,2800.13 2936.76,2713.24 v1@2936.76,2663.24
  Bottom Layer w10: v1(1230,2045) 1375,2190 1464.04,2190 1919.04,2645 2904.14,2645 2911.49,2652.35 2927.35,2652.35 v1(2935,2660)
NetU2_11: U2.11 U5.4 | length 2398
  Top Layer w10: U5.4@1137.4,1935 1142.4,1940 1225,1940 v1(1230,1945) ; U2.11@2869.21,2831.65 2869.21,2805.79 2990,2685 v1(2990,2620)
  Bottom Layer w10: v1(1230,1945) 1380,2095 1460,2095 1970,2605 2964.18,2605 2979.18,2620 v1(2990,2620)
NetU2_33: U2.33 U8.6 | length 1284.4
  Top Layer w10: U8.6@2347.2,4315.79 2347.2,3982.8 2967.64,3362.36 U2.33@2967.64,3288.35
NetU2_34: U2.34 U8.5 | length 1286.9
  Top Layer w10: U8.5@2321.61,4315.79 2321.61,3978.39 2947.95,3352.05 U2.34@2947.95,3288.35
NetU2_44: U2.44 U7.6 | length 1626.8
  Top Layer w10: U7.6@1727.2,4335.79 1727.2,4167.8 1875,4020 2140,4020 2751.1,3408.9 U2.44@2751.1,3288.35
NetU2_45: U2.45 U7.5 | length 1626.3
  Top Layer w10: U7.5@1701.61,4335.79 1701.61,4158.39 1865,3995 2125,3995 2731.42,3388.58 U2.45@2731.42,3288.35
NetU2_51: U2.51 U4.1 | length 1636.7
  Top Layer w10: U4.1@1142.4,3180 1312.35,3349.95 1312.35,3362.35 v1(1320,3370) ; v1(2180,3245) 2186.36,3251.36 2383.64,3251.36 2467.05,3167.95 2591.34,3167.95 U2.51@2591.65,3168.27
  Bottom Layer w10: v1(1320,3370) 1330.82,3370 1345.82,3385 1535,3385 1675,3245 v1(2180,3245)
NetU2_52: U2.52 U4.2 | length 1628.5
  Top Layer w10: U4.2@1142.4,3080 1146.2,3080 1391.2,3325 v1(1395,3325) ; v1(2250,3195) 2405,3195 2452.05,3147.95 2591.02,3147.95 U2.52@2591.65,3148.58
  Bottom Layer w10: v1(1395,3325) 1400,3330 1505,3330 1630,3205 2224.14,3205 2226.49,3202.65 2242.35,3202.65 v1(2250,3195)
NetU2_53: U2.53 U4.3 | length 1627.8
  Top Layer w10: U4.3@1142.4,2980 1151.73,2980 1161.77,2990.04 1165.04,2990.04 1434.22,3259.22 1438.39,3259.22 1449.18,3270 v1(1460,3270) ; v1(2190,3135) 2195.76,3129.24 2591.31,3129.24 U2.53@2591.65,3128.9
  Bottom Layer w10: v1(1460,3270) 1595,3135 v1(2190,3135)
NRST: C29.2 J2.10 R27.1 S2.2 U2.7 | length 2677
  Top Layer w10: J2.10@1985,3585 1985,3025 2160,2850 2550,2850 2589.8,2889.8 2764.8,2889.8 2790.47,2864.13 U2.7@2790.47,2831.65 2790.47,2709.53 3175.47,2324.53 C29.2@3175.47,2204.76 ; R27.1@3183.68,2080 3185,2081.32 3185,2094.8 3185,2195.24 C29.2@3175.47,2204.76 ; S2.2@3437.99,2201.54 3434.76,2204.76 3180.47,2204.76 C29.2@3175.47,2204.76
SWD_CLK: J2.4 U2.49 | length 662.8
  Top Layer w10: J2.4@2135,3585 2135,3500 2280,3355 2390,3355 2537.36,3207.64 U2.49@2591.65,3207.64
SWD_IO: J2.2 U2.46 | length 687.6
  Top Layer w10: J2.2@2185,3585 2480,3585 2711.73,3353.27 U2.46@2711.73,3288.35
TEMPERATURE_ADC_INPUT: D3.1 U2.17 U3.3 | length 372.1
  Top Layer w10: U2.17@3048.35,2912.36 3074.46,2912.36 3074.77,2912.05 3290.71,2912.05 3299.41,2903.35 U3.3@3299.41,2887.8 ; 3095,2905.86 3095,2890 3130,2855 D3.1@3166.38,2855
VBAT: C10.2 C33.1 J3.2 PTH2.1 U1.14 U1.15 U1.19 U1.23 U1.27 U6.1 VBAT.1 | length 3958.4
  Top Layer w10: U1.19@3817.99,2657.4 U1.19@3819.21,2656.18 ; U1.15@3817.99,2736.14 3778.86,2736.14 3771.64,2743.36 3771.64,2751.64 3775.83,2755.83 U1.14@3817.99,2755.83 ; 3929.82,2657.4 3935.63,2651.59 ; U1.23@3935.63,2559.45 3935.63,2570.63 3936.85,2571.85 U1.23@3936.85,2577.45 ; U6.1@4366.14,4335 U6.1@4371.14,4340 ; PTH2.1@5880,1665 PTH2.1@5920,1705
  Top Layer w15: U1.19@3817.99,2657.4 3929.82,2657.4 ; U1.14@3817.99,2755.83 v1@3960.83,2755.83
  Top Layer w20: U1.23@3935.63,2577.45 3935.63,2651.59 3935.63,2710.63 3959.26,2734.26 3959.26,2754.26 3960.83,2755.83 v1(3965,2760) 4014.37,2710.63 U1.27@4014.37,2559.45
  Top Layer w30: v1(5385,3745) 5545,3585 VBAT.1@5875,3585
  Top Layer w40: v1(3860,2480) C10.2@3933.5,2480
  Top Layer w70: 4190,4385 4240,4335 U6.1@4366.14,4335
  Bottom Layer w20: v1(3965,2760) 3965,3440 4315,3790 4720,3790 4765,3745 v1(5385,3745)
  other v1: 6150,1495 6235,1495 6325,1500 6235,1580 6320,1580 6230,1665 6230,1740 6315,1740 5015,3905 5205,3905 5205,3990 5015,3995 5205,4080 5015,4085 4305,4335 4225,4350
pads on no net: DS1.8 DS1.9 DS2.8 DS2.9 J1.8 J1.15 J1.16 J1.MH1 J1.MH2 J2.7 J2.9 MH1.0 MH2.0 MH3.0 MH4.0 S2.3 S2.4 S2.5 S2.6 U1.7 U1.8 U1.9 U1.10 U1.16 U1.17 U1.18 U1.20 U1.21 U1.22 U1.24 U1.25 U1.26 U1.28 U1.29 U1.30 U2.3 U2.4 U2.20 U2.24 U2.26 U2.27 U2.28 U2.35 U2.36 U2.37 U2.38 U2.39 U2.40 U2.43 U2.54 U2.56 U2.57 U2.58 U2.59 U2.61 U2.62

## Polygon pours and split planes (outlines as drawn)
GND on Bottom Layer "GND_L04_P005" (solid, remove dead copper, pour order 5): 1010,1320 1010,4875 cw(c1130,4875) 1130,4995 1130,4995.51 6610,4990 cw(c6610,4870) 6730,4870 6730,1320 cw(c6610,1320) 6610,1200 1135,1200.1 cw(c1130,1320)
GND on Top Layer "GND_L01_P014" (solid, remove dead copper, pour order 14): 4190,4947.5 4190,4552.5 4830,4552.5 4825,4557.5 4825,4952.5 4190,4952.5
3V3 on Top Layer "3V3_L01_P015" (solid, remove dead copper, pour order 15): 2769.45,4951.68 2769.45,3930 4160,3930 4160,4947.97
VBAT on Top Layer "VBAT_L01_P016" (solid, remove dead copper, pour order 16): 3779.73,4960 6375,4960 6375,3555 3749.52,3555
VBAT on Top Layer "VBAT_L01_P017" (solid, remove dead copper, pour order 17): 5590,1940 5590,1370 6395,1370 6395,1935
GND on Top Layer "GND_L01_P018" (solid, remove dead copper, pour order 18): 1010,1320 1010,4875 cw(c1130,4875) 1130,4995 1130,4995.51 6610,4990 cw(c6610,4870) 6730,4870 6730,1320 cw(c6610,1320) 6610,1200 1135,1200.1 cw(c1130,1320)
GND on GND "GND_L02_P007" (solid, remove dead copper, pour order 7): 1010,1320 1010,4875 cw(c1130,4875) 1130,4995 1130,4995.51 6610,4990 cw(c6610,4870) 6730,4870 6730,1320 cw(c6610,1320) 6610,1200 1135,1200.1 cw(c1130,1320)
VBAT on PWR "VBAT_L03_P009" (solid, remove dead copper, pour order 9): 3800,2010 3800,3832 4130,3832 4130,4770 6220,4770 6220,4390 4680,2850 4680,2010
VBAT on PWR "VBAT_L03_P010" (solid, remove dead copper, pour order 10): 3800,2010 6435,2010 6435,1270 3800,1270
3V3 on PWR "3V3_L03_P012" (solid, remove dead copper, pour order 12): 1010,1320 1010,4875 cw(c1130,4875) 1130,4995 1130,4995.51 6610,4990 cw(c6610,4870) 6730,4870 6730,1320 cw(c6610,1320) 6610,1200 1135,1200.1 cw(c1130,1320)

## Silkscreen, mask and mechanical layers (free items; w line width, h text height)
Top Overlay:
  drawing of 26 lines, arcs and shapes, not listed
  text "CAN 1" at 2515,4939.34 h60 r180
  text "CAN 2" at 1885,4934.34 h60 r180
  text "VBAT" at 6535,4545.03 h60 r90
  text "BMS ENABLE" at 1325,4205 h60
  text "GND" at 6534.34,3925 h60 r90
  text "OFF" at 1215,3850.66 h60
  text "ON" at 1585,3850.66 h60
  text "BMS REV 3          SEPT 2022 JOSH HARPER" at 3665,3535 h60
  text "3.3V" at 1570,3450.66 h60
  text "RESET" at 3425,2115.66 h60
  text "BUZZ" at 3780,1855.66 h60
  text "GND" at 5260,1345.66 h60
  text "VBAT" at 5785.03,1340 h60
Mechanical 1:
  lines w10: 1130,4995 ccw(c1130,4875) 1010,4875 1010,1320 ccw(c1130,1320) 1135,1200.1 6610,1200 ccw(c6610,1320) 6730,1320 6730,4870 ccw(c6610,4870) 6610,4990 1130,4995.51